# Altium PCB 400150.PcbDoc (part 2 of 4) (continued)
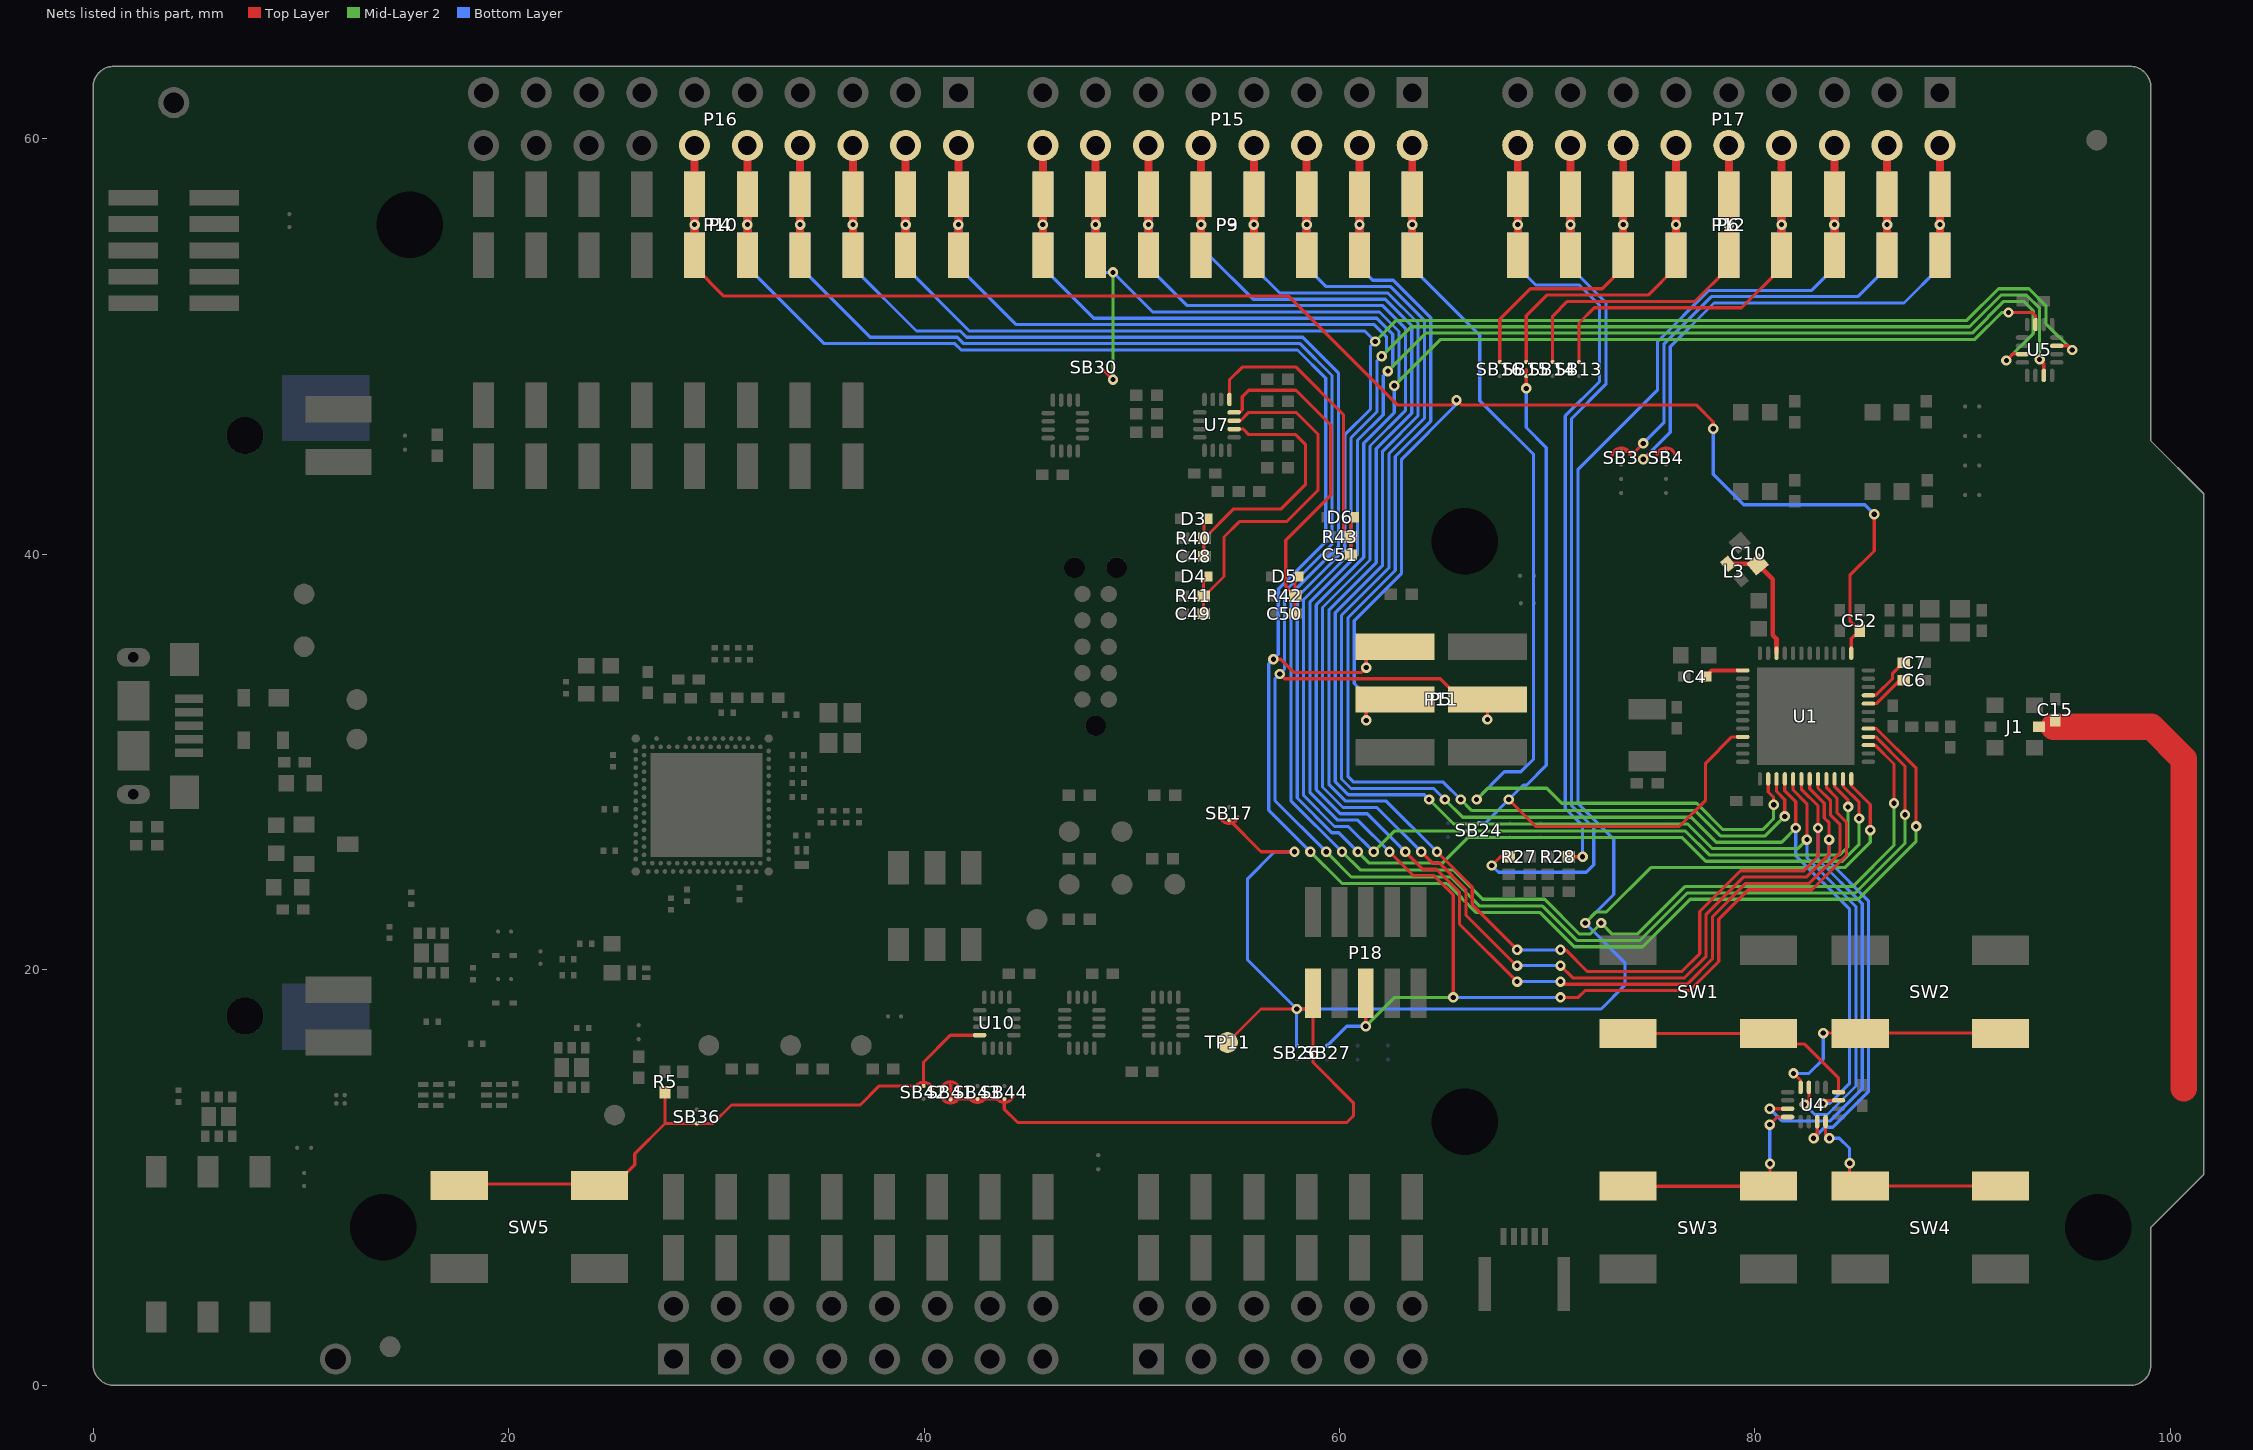
[diagram p4: the nets of this part, all layers, seen from the top]
## Part data (continued)
TP12 TP13: library part "Testpoint TH", "Testpoint, through hole", Manufacturer=N.A., Artikkelnr Noca=N.A., Author=rsk, Component Class=Connectors, ComponentLink1Description=Datasheet, ComponentLink1URL=N.A., ComponentLink2Description="Supplier link", ComponentLink2URL=N.A., Footprint Doc=TESTPAD-TH, HelpURL=N.A., LatestRevisionDate=2009-12-12, Manufacturer Part Number=N.A., Note=N.A., Pad Count=1, Part Number="Testpoint TH", Part number IPS=N.A., Part number Norautron=N.A., PartId=100500464, Published=2009-12-12, Supplier 1=N.A., Supplier 2=N.A., Supplier Part Number 1=N.A., Supplier Part Number 2=N.A.
U1: "Multi-protocol Bluetooth Low Energy, ANT and 2.4GHz proprietary system-on-chip", Manufacturer="Nordic Semiconductor", Part number IPS=N.A., Artikkelnr Noca=N.A., Author=rubr, Component Class=nRF_Devices, ComponentLink1Description=Datasheet, ComponentLink1URL=N.A., ComponentLink2Description="Supplier link", ComponentLink2URL=N.A., Footprint Doc=QFN-48, HelpURL=N.A., LatestRevisionDate=2021-05-31, Manufacturer Part Number=nRF52832-QFAAG0, Note=N.A., Pad Count=48, Part Number=nRF52832-QFAAG0, Part number Norautron=N.A., PartId=102000228, Published=2021-05-31, Supplier 1="Nordic Semiconductor", Supplier 2=N.A., Supplier Part Number 1=nRF52832-QFAAG0, Supplier Part Number 2=N.A.
U2: library part nRF5340-QKAAD0, "Multi-protocol Bluetooth Low Energy, IEEE 802.15.4, ANT and 2.4GHz proprietary system-on-chip", Manufacturer="Nordic Semiconductor", Part number IPS=N.A., Artikkelnr Noca=N.A., Author=rsk, Component Class=nRF_Devices, ComponentLink1Description=Datasheet, ComponentLink1URL=N.A., ComponentLink2Description="Supplier link", ComponentLink2URL=N.A., Footprint Doc=AQFN-98, HelpURL=N.A., LatestRevisionDate=2020-12-02, Manufacturer Part Number=nRF5340-QKAAD0, Note=N.A., Pad Count=98, Part Number=nRF5340-QKAAD0, Part number Norautron=N.A., PartId=102000216, Published=2020-12-02, Supplier 1="Nordic Semiconductor", Supplier 2=N.A., Supplier Part Number 1=nRF5340-QKAAD0, Supplier Part Number 2=N.A.
U3: "300mA, Low Quiescent Current, Fast Transient Low Dropout Linear Regulator", Manufacturer="Diodes Incorporated", Part number IPS=00000001673, Part number Norautron=N.A., Supplier Part Number 1=AP7333-33SAG-7DICT-ND, Artikkelnr Noca=17039216, Author=rsk, Component Class=Misc_ICs, ComponentLink1Description=Datasheet, ComponentLink1URL=N.A., ComponentLink2Description="Supplier link", ComponentLink2URL=N.A., Footprint Doc=SOT-23-3, HelpURL=http://www.diodes.com/datasheets/AP7333.pdf, LatestRevisionDate=2012-06-15, Manufacturer Part Number=AP7333-33SAG-7, Note=N.A., Pad Count=3, Part Number=AP7333-33SAG-7, PartId=101900020, Published=2012-06-15, Supplier 1=Digi-Key, Supplier 2=N.A., Supplier Part Number 2=N.A.
U4 U5 U6 U10: library part NX3DV2567GU, "Low-ohmic four-pole double-throw analog switch", Manufacturer="NXP Semiconductors", Part number IPS=00000007816, Part number Norautron=N.A., Supplier Part Number 1=568-5206-1-ND, Artikkelnr Noca=15079317, Author=rsk, Component Class=Misc_ICs, ComponentLink1Description=Datasheet, ComponentLink1URL=N.A., ComponentLink2Description="Supplier link", ComponentLink2URL=N.A., Footprint Doc=XQFN-16, HelpURL=http://www.nxp.com/documents/data_sheet/NX3DV2567.pdf, LatestRevisionDate=2015-02-17, Manufacturer Part Number=NX3DV2567GU, Note=N.A., Pad Count=16, Part Number=NX3DV2567GU, PartId=101900290, Published=2015-02-17, Supplier 1=Digi-Key, Supplier 2=Mouser, Supplier Part Number 2=771-NX3DV2567GU115
  U10: Assembly="Not mounted"
U7: library part PCAL6408AHK, "8-bit I2C-bus I/O expander with interrupt output", Manufacturer="NXP Semiconductors", Part number IPS=00000009987, Part number Norautron=N.A., Supplier Part Number 1=568-9944-1-ND, Artikkelnr Noca=15079321, Author=rsk, Component Class=Misc_ICs, ComponentLink1Description=Datasheet, ComponentLink1URL=N.A., ComponentLink2Description="Supplier link", ComponentLink2URL=N.A., Footprint Doc=XQFN-16, HelpURL=http://www.nxp.com/documents/data_sheet/PCAL6408A.pdf, LatestRevisionDate=2015-04-29, Manufacturer Part Number=PCAL6408AHK, Note=N.A., Pad Count=16, Part Number=PCAL6408AHK, PartId=101900289, Published=2015-04-29, Supplier 1=Digi-Key, Supplier 2=Mouser, Supplier Part Number 2=771-PCAL6408AHKX
U8 U9: "Data / Audio Low-Voltage Dual DPDT Analog Switch", Manufacturer="ON Semiconductor", Part number IPS=00000009986, Part number Norautron=N.A., Supplier Part Number 1=FSA2466UMXCT-ND, Artikkelnr Noca=15070069, Assembly="Not mounted", Author=rsk, Component Class=Misc_ICs, ComponentLink1Description=Datasheet, ComponentLink1URL=N.A., ComponentLink2Description="Supplier link", ComponentLink2URL=N.A., Footprint Doc=UFQFN-16, HelpURL=https://www.onsemi.com/pub/Collateral/FSA2466-D.PDF, LatestRevisionDate=2019-05-15, Manufacturer Part Number=FSA2466UMX, Note=N.A., Pad Count=16, Part Number=FSA2466UMX, PartId=101900422, Published=2016-05-18, Supplier 1=Digi-Key, Supplier 2=Mouser, Supplier Part Number 2=512-FSA2466UMX
U11: "1.0 A Load Switch IC with Slew Rate Control Driver in Ultra Small Package", Manufacturer=Toshiba, Manufacturer Part Number=TCK106AG,LF, Part number IPS=00000004390, Part number Norautron=N.A., Supplier Part Number 1=TCK106AGLFTR-ND, Artikkelnr Noca=N.A., Author=rsk, Component Class=Misc_ICs, ComponentLink1Description=Datasheet, ComponentLink1URL=https://toshiba.semicon-storage.com/info/docget.jsp?did=30131&prodName=TCK106AG, ComponentLink2Description="Supplier link", ComponentLink2URL=N.A., Footprint Doc=WLCSP-4, HelpURL=N.A., LatestRevisionDate=2019-03-01, Note=N.A., Pad Count=4, Part Number=TCK106AG, PartId=101900575, Published=2019-02-17, Supplier 1=Digi-Key, Supplier 2=Mouser, Supplier Part Number 2=757-TCK106AGLF
U12 U13: "Single 3-input AND gate", Manufacturer="ON Semiconductor", Part number IPS=00000001709, Part number Norautron=N.A., Supplier Part Number 1=NC7SV11L6XCT-ND, Artikkelnr Noca=N.A., Author=rsk, Component Class=Misc_ICs, ComponentLink1Description=Datasheet, ComponentLink1URL=https://www.fairchildsemi.com/datasheets/NC/NC7SV11.pdf, ComponentLink2Description="Supplier link", ComponentLink2URL=N.A., Footprint Doc=UFDFN-6, HelpURL=https://www.fairchildsemi.com/datasheets/NC/NC7SV11.pdf, LatestRevisionDate=2018-09-27, Manufacturer Part Number=NC7SV11L6X, Note="Single 3-input AND gate", Pad Count=6, Part Number=NC7SV11L6X, PartId=101900559, Published=2018-09-27, Supplier 1=Digi-Key, Supplier 2=Mouser, Supplier Part Number 2=512-NC7SV11L6X
X1 X3: library part XTAL_SMD2016_32MHz_8pF_Epson, "XTAL SMD 2016, 32MHz, Cl=8pF, Tol: ±10ppm, Stab: ±10ppm", Manufacturer="Epson Toyocom", Manufacturer Part Number=Q22FA12800025, Part number IPS=N.A., Supplier Part Number 1=171-2806, Artikkelnr Noca=22019238, Author=rsk, Component Class=Oscillators, ComponentLink1Description=Datasheet, ComponentLink1URL=N.A., ComponentLink2Description="Supplier link", ComponentLink2URL=N.A., Footprint Doc=XTAL_2016, HelpURL=http://www.epsondevice.com/docs/qd/en/DownloadServlet?id=ID000449, LatestRevisionDate=2014-11-27, Note="XTAL SMD 32.000MHz", Pad Count=4, Part Number=XTAL_SMD2016_32MHz_8pF_Epson, Part number Norautron=N.A., PartId=101600036, Published=2012-03-09, Supplier 1=Farnell, Supplier 2=N.A., Supplier Part Number 2=N.A.
X2: library part XTAL_SMD3215_32.768kHz_9pF_Epson, "XTAL SMD 3215, 32.768kHz, 9pF, ±20ppm", Manufacturer="Epson Toyocom", Manufacturer Part Number="FC-135 32.768KHZ ±20PPM,9.0PF", Part number IPS=N.A., Supplier Part Number 1="FC-135 32.7680KA-AC-ND", Artikkelnr Noca=22019091, Author=rsk, Component Class=Oscillators, ComponentLink1Description=Datasheet, ComponentLink1URL=N.A., ComponentLink2Description="Supplier link", ComponentLink2URL=N.A., Footprint Doc=XTAL_3215, HelpURL=http://www.farnell.com/datasheets/57480.pdf, LatestRevisionDate=2017-10-18, Note="XTAL SMD 32.768kHz", Pad Count=2, Part Number=XTAL_SMD3215_32.768kHz_9pF_Epson, Part number Norautron=N.A., PartId=101600021, Published=2010-10-18, Supplier 1=Digi-Key, Supplier 2=Farnell, Supplier Part Number 2=127-8037

## Free pads (board coordinates)
  round 0.3 on Mech16: 0(29.324,30.73) 0(29.724,30.73) 0(30.124,30.73) 0(30.524,25.13) 0(30.524,30.73) 0(30.924,25.13) 0(30.924,30.73) 0(31.324,25.13) 0(31.724,25.13) 0(32.124,25.13)
  round 3.1 hole 3.2 unplated: 1(13.97,7.61) 1(15.24,55.87) 1(66.04,12.69) 1(66.04,40.63) 1(96.52,7.61)

## Via types
v1: diameter 0.5, hole 0.25, Top Layer to Bottom Layer, tented both sides, 864 vias
v2: diameter 0.3, hole 0.1, Top Layer to Mid-Layer 1, tented both sides, 152 vias
v3: diameter 0.61, hole 0.305, Top Layer to Bottom Layer, tented both sides, 16 vias
v4: diameter 0.66, hole 0.33, Top Layer to Bottom Layer, tented both sides, 16 vias

## Nets (pads, with @x,y where several pads share a name; then routed paths per layer and width w, separated by ;. In a path a pad name is that pad's centre, name@x,y a point inside that pad or via, vN(x,y) a via of type N, cw(c..) or ccw(c..) an arc to the next point about the centre after c; other vN are vias at no path point)
ANT: C15.1 J1.3 | length 22.7
  Top Layer w1.27: 94.383,31.703 99.072,31.703 100.632,30.144 100.632,14.302
BOOT/RESET: R5.1 SB36.2 SB42.1 SW5.2 U10.4 | length 30.3
  Top Layer w0.152: SW5.2@17.631,9.61 17.714,9.693 24.298,9.693 SW5.2@24.381,9.61 25.078,9.61 26.073,10.606 26.073,11.138 27.532,12.597 ; R5.1@27.532,14.101 27.532,12.597 ; 39.626,14.409 37.854,14.409 36.935,13.491 30.732,13.491 29.838,12.597 SB36.2@29.063,12.597 27.532,12.597 ; SB42.1@39.98,14.409 39.98,14.584 39.98,15.559 41.271,16.85 U10.4@42.679,16.85
BUTTON1': SW1.2 U4.16 | length 11.7
  Top Layer w0.152: SW1.2@73.892,16.937 80.642,16.937 81.145,16.434 82.364,16.434 84.026,14.771 U4.16@84.026,14.099
BUTTON1_EXT: C48.1 D3.3 R40.1 U7.2 | length 13.5
  Top Layer w0.152: C48.1@53.465,39.898 53.465,40.761 R40.1@53.484,40.761 ; D3.3@53.69,41.701 53.484,41.495 R40.1@53.484,40.761 ; U7.2@54.925,46.028 55.365,46.028 55.632,45.761 57.886,45.761 58.36,45.288 58.36,43.346 57.197,42.184 54.907,42.184 R40.1@53.484,40.761
BUTTON2': SW2.2 U4.4 | length 12.3
  Top Layer w0.152: v1(81.856,15.011) 82.195,14.672 U4.4@82.195,14.338 ; v1(83.29,16.948) 91.809,16.948 SW2.2@91.818,16.94
  Bottom Layer w0.152: v1(81.856,15.011) 82.601,15.011 83.29,15.7 v1(83.29,16.948)
BUTTON2_EXT: C49.2 D4.3 R41.1 U7.3 | length 18
  Top Layer w0.152: C49.2@53.461,37.129 R41.1@53.461,37.993 ; D4.3@53.692,38.932 53.461,38.701 R41.1@53.461,37.993 ; U7.3@54.925,46.428 55.232,46.428 55.632,46.828 57.906,46.828 58.969,45.765 58.969,43.094 57.45,41.574 55.18,41.574 54.44,40.834 54.44,38.932 53.5,37.993 R41.1@53.461,37.993
BUTTON3': SW3.2 U4.8 | length 10.6
  Top Layer w0.152: SW3.2@73.889,9.581 SW3.2@80.639,9.581 ; v1(80.713,12.548) 81.078,12.913 U4.8@81.57,12.913 ; SW3.2@80.722,9.663 v1(80.722,10.659)
  Bottom Layer w0.152: v1(80.713,12.548) 80.713,10.668 v1(80.722,10.659)
BUTTON3_EXT: C50.2 D5.3 R42.1 U7.4 | length 17.3
  Top Layer w0.152: U7.4@54.925,46.828 55.193,46.828 55.32,46.955 55.32,47.582 55.632,47.895 57.906,47.895 59.579,46.222 59.579,42.841 57.412,40.674 57.412,38.459 R42.1@57.861,38.01 ; C50.2@57.861,37.147 R42.1@57.861,38.01 ; D5.3@58.061,38.932 57.861,38.732 R42.1@57.861,38.01
BUTTON4': SW4.2 U4.12 | length 10.8
  Top Layer w0.152: U4.12@83.395,12.688 83.395,12.075 v1(83.583,11.887) ; v1(84.557,10.684) 84.557,10.074 85.04,9.592 SW4.2@91.79,9.592
  Bottom Layer w0.152: v1(83.583,11.887) 84.065,11.887 84.557,11.395 v1(84.557,10.684)
BUTTON4_EXT: C51.1 D6.3 R43.1 U7.5 | length 15.6
  Top Layer w0.152: U7.5@54.7,47.453 54.7,48.388 55.335,49.022 57.886,49.022 60.192,46.717 60.192,41.191 R43.1@60.548,40.835 ; C51.1@60.548,39.972 R43.1@60.548,40.835 ; D6.3@60.728,41.783 60.548,41.603 R43.1@60.548,40.835
CTS: SB15.2 SB24.2 U1.9 | length 38.5
  Top Layer w0.152: v1(68.148,28.194) 69.444,26.899 76.352,26.899 77.622,28.169 77.622,29.947 78.887,31.211 U1.9@79.41,31.211 ; v1(68.986,47.985) SB15.2@68.986,48.58 68.986,48.88
  Bottom Layer w0.152: SB24.2@66.713,27.058 67.012,27.058 v1(68.148,28.194) 68.85,28.896 69.008,28.896 69.952,29.839 69.952,45.136 68.986,46.101 v1(68.986,47.985)
D0: P3.1 P9.1 P15.2 U1.14 | length 56
  Top Layer w0.152: U1.14@80.635,29.186 80.635,28.556 80.899,28.292 v1(80.899,27.941)
  Top Layer w0.381: P3.1@63.5,54.405 v1(63.5,55.87) P3.1@63.5,57.335 P15.2@63.5,59.68
  Mid-Layer 2 w0.152: v1(66.599,28.194) 67.143,28.738 69.98,28.738 70.701,28.017 77.19,28.017 78.461,26.746 80.366,26.746 80.899,27.279 v1(80.899,27.941)
  Bottom Layer w0.152: P9.1@63.5,53.797 66.751,50.546 66.751,47.392 69.342,44.801 69.342,30.144 68.731,29.533 67.938,29.533 v1(66.599,28.194)
  Bottom Layer w0.381: P9.1@63.5,53.797 v1(63.5,55.87) P9.1@63.5,57.335
D1: P3.2 P9.2 P15.4 U1.15 | length 62.1
  Top Layer w0.152: U1.15@81.035,29.186 81.035,28.588 81.432,28.191 v1(81.432,27.381)
  Top Layer w0.381: P3.2@60.96,54.405 v1(60.96,55.87) P3.2@60.96,57.335 P15.4@60.96,59.68
  Mid-Layer 2 w0.152: v1(65.837,28.194) 66.372,27.659 77.116,27.659 78.334,26.441 80.493,26.441 v1(81.432,27.381)
  Bottom Layer w0.152: v1(65.837,28.194) 64.999,29.032 60.681,29.032 60.401,29.312 60.401,36.932 62.687,39.218 62.687,44.708 64.389,46.41 64.389,51.383 62.584,53.188 61.595,53.188 P9.2@60.96,53.823 ; P9.2@60.96,53.823 60.96,54.405 P9.2@60.96,53.823
  Bottom Layer w0.381: P9.2@60.96,54.405 v1(60.96,55.87) P9.2@60.96,57.335
D2: P3.3 P9.3 P15.6 U1.16 U4.15 | length 81.1
  Top Layer w0.152: U1.16@81.435,29.186 81.435,28.62 81.966,28.089 v1(81.966,26.822) ; v1(83.261,13.564) 83.41,13.713 U4.15@84.02,13.713
  Top Layer w0.381: P3.3@58.42,54.405 v1(58.42,55.87) P3.3@58.42,57.335 P15.6@58.42,59.68
  Mid-Layer 2 w0.152: v1(65.075,28.194) 65.927,27.342 76.931,27.342 78.136,26.137 81.28,26.137 v1(81.966,26.822)
  Bottom Layer w0.152: P9.3@58.42,54.405 58.42,53.823 59.36,52.883 62.458,52.883 64.084,51.256 64.084,46.536 62.382,44.834 62.382,39.344 60.096,37.058 60.096,29.185 60.554,28.727 64.541,28.727 v1(65.075,28.194) ; v1(81.966,26.822) 81.966,25.497 84.557,22.906 84.557,14.529 83.591,13.564 v1(83.261,13.564)
  Bottom Layer w0.381: P9.3@58.42,54.405 v1(58.42,55.87) P9.3@58.42,57.335
D3: P3.4 P9.4 P15.8 U1.17 U4.3 | length 85.9
  Top Layer w0.152: U1.17@81.835,29.186 81.835,28.652 82.499,27.987 v1(82.499,26.264) ; v1(82.389,13.513) 82.595,13.719 U4.3@82.595,14.338
  Top Layer w0.381: P3.4@55.88,54.405 v1(55.88,55.87) P3.4@55.88,57.335 P15.8@55.88,59.68
  Mid-Layer 2 w0.152: v1(64.313,28.194) 65.491,27.016 76.768,27.016 77.953,25.832 82.067,25.832 v1(82.499,26.264)
  Bottom Layer w0.152: P9.4@55.88,54.405 55.88,53.823 57.125,52.578 62.332,52.578 63.779,51.13 63.779,46.662 62.078,44.961 62.078,39.47 59.792,37.184 59.792,29.058 60.427,28.423 64.084,28.423 v1(64.313,28.194) ; v1(82.389,13.513) 82.872,13.03 83.49,13.03 84.861,14.402 84.861,23.041 82.499,25.403 v1(82.499,26.264)
  Bottom Layer w0.381: P9.4@55.88,54.405 v1(55.88,55.87) P9.4@55.88,57.335
D4: P3.5 P9.5 P15.10 U1.18 U4.7 | length 98.4
  Top Layer w0.152: v1(64.694,25.679) 66.389,23.984 66.389,23.122 v1(68.547,20.964) ; v1@70.637,20.955 70.883,20.955 71.924,19.914 76.479,19.914 77.343,20.777 77.343,22.807 79.301,24.765 82.347,24.765 83.033,25.451 v1(83.033,26.822) 83.033,27.886 82.235,28.684 U1.18@82.235,29.186 ; v1@80.716,13.313 U4.7@81.57,13.313
  Top Layer w0.381: P3.5@53.34,54.405 v1(53.34,55.87) P3.5@53.34,57.335 P15.10@53.34,59.68
  Bottom Layer w0.152: P9.5@53.34,54.405 53.712,54.405 55.844,52.273 62.205,52.273 63.475,51.004 63.475,46.789 61.773,45.087 61.773,39.596 59.487,37.31 59.487,28.924 60.293,28.118 62.255,28.118 v1(64.694,25.679) ; v1(68.547,20.964) 68.557,20.955 v1@70.637,20.955 ; v1(80.713,13.31) 81.297,12.725 83.617,12.725 85.166,14.275 85.166,23.175 83.033,25.308 v1(83.033,26.822)
  Bottom Layer w0.381: P9.5@53.34,54.405 v1(53.34,55.87) P9.5@53.34,57.335
  other v1: 70.637,20.964
D5: P3.6 P9.6 P15.12 U1.19 U4.11 | length 100
  Top Layer w0.152: v1(63.932,25.679) 64.465,25.146 64.796,25.146 66.084,23.858 66.084,22.636 68.522,20.198 v1(68.547,20.198) ; v1@70.637,20.193 71.221,19.609 76.606,19.609 77.648,20.651 77.648,22.681 79.427,24.46 82.473,24.46 83.566,25.553 v1(83.566,26.264) 83.566,27.076 83.337,27.305 83.337,28.012 82.635,28.715 U1.19@82.635,29.186 ; v1(82.821,11.887) 82.995,12.062 U4.11@82.995,12.688
  Top Layer w0.381: P3.6@50.8,54.405 v1(50.8,55.87) P3.6@50.8,57.335 P15.12@50.8,59.68
  Bottom Layer w0.152: P9.6@50.8,54.405 50.8,53.838 52.669,51.968 62.079,51.968 63.17,50.878 63.17,46.915 61.468,45.213 61.468,39.723 59.182,37.437 59.182,28.798 60.167,27.813 61.798,27.813 v1(63.932,25.679) ; v1(68.547,20.198) v1(70.637,20.198) ; v1(82.821,11.887) 83.354,12.421 83.744,12.421 85.471,14.148 85.471,23.304 83.566,25.209 v1(83.566,26.264)
  Bottom Layer w0.381: P9.6@50.8,54.405 v1(50.8,55.87) P9.6@50.8,57.335
D6: P3.7 P9.7 P15.14 SB30.1 U1.20 U5.15 | length 125
  Top Layer w0.152: SB30.1@48.502,48.991 48.512,48.991 v1(49.097,48.407) ; v1(63.17,25.679) 64.008,24.841 64.668,24.841 65.779,23.731 65.779,22.2 v1(68.547,19.431) ; v1(70.637,19.431) 70.764,19.304 76.732,19.304 77.953,20.525 77.953,22.554 79.554,24.155 82.618,24.155 84.099,25.637 84.099,26.976 83.642,27.433 83.642,28.138 83.035,28.746 U1.20@83.035,29.186 ; v1(92.201,51.638) 93.345,51.638 93.501,51.483 U5.15@93.501,51.06
  Top Layer w0.381: P3.7@48.26,54.405 P3.7@48.26,57.335 P15.14@48.26,59.68
  Mid-Layer 2 w0.152: v1(49.097,48.407) v1(49.098,53.569) ; v1(62.636,48.108) 64.872,50.343 90.576,50.343 91.872,51.638 v1(92.201,51.638)
  Bottom Layer w0.152: P9.7@48.26,54.405 48.26,53.797 48.489,53.569 v1(49.098,53.569) 51.003,51.664 61.924,51.664 62.865,50.722 62.865,48.336 v1(62.636,48.108) 62.636,46.82 61.163,45.347 61.163,39.849 58.877,37.563 58.877,28.671 60.04,27.508 61.341,27.508 v1(63.17,25.679) ; v1(68.547,19.431) v1(70.637,19.431)
  Bottom Layer w0.381: P9.7@48.26,54.405 v1(48.26,55.87) P9.7@48.26,57.335
D7: P3.8 P9.8 P15.16 P18.6 SB27.2 U1.21 U5.3 | length 136.4
  Top Layer w0.152: v1(61.265,17.278) P18.6@61.265,18.872 ; v1@62.4,25.679 v1(62.408,25.679) 63.551,24.536 64.541,24.536 65.474,23.604 v1(65.474,18.669) ; v1(70.637,18.669) 71.501,18.669 71.831,18.999 76.858,18.999 78.257,20.398 78.257,22.428 79.68,23.851 82.744,23.851 84.404,25.511 84.404,27.102 83.947,27.559 83.947,28.265 83.435,28.777 U1.21@83.435,29.186 ; v1(92.1,49.327) 92.408,49.635 U5.3@92.876,49.635
  Top Layer w0.381: P3.8@45.72,54.405 v1(45.72,55.87) P3.8@45.72,57.335 P15.16@45.72,59.68
  Mid-Layer 2 w0.152: v1(61.265,17.278) 62.656,18.669 v1(65.474,18.669) ; v1(62.332,48.819) 64.16,50.648 90.449,50.648 91.975,52.173 92.938,52.173 93.396,51.716 93.396,50.622 v1(92.1,49.327)
  Bottom Layer w0.152: P9.8@45.72,54.405 45.72,53.812 48.174,51.359 61.797,51.359 62.56,50.596 62.56,49.047 v1(62.332,48.819) 62.103,48.59 62.103,46.719 60.858,45.474 60.858,39.975 58.572,37.689 58.572,28.545 59.914,27.203 60.884,27.203 v1(62.408,25.679) ; SB27.2@59.412,16.35 60.34,17.278 v1(61.265,17.278) ; v1(65.474,18.669) 70.383,18.669
  Bottom Layer w0.381: P9.8@45.72,54.405 v1(45.72,55.87) P9.8@45.72,57.335
D8: P4.1 P10.1 P16.2 U1.22 U5.7 | length 123.5
  Top Layer w0.152: P4.1@41.656,53.842 P4.1@41.656,54.405 ; U1.22@83.835,29.186 83.835,28.808 84.48,28.162 v1(84.48,27.838) ; v1(93.701,49.378) 93.901,49.178 U5.7@93.901,48.61
  Top Layer w0.381: P4.1@41.656,54.405 v1(41.656,55.87) P4.1@41.656,57.335 P16.2@41.656,59.68
  Mid-Layer 2 w0.152: v1(61.646,25.679) 62.652,26.686 76.632,26.686 77.791,25.527 84.074,25.527 84.48,25.933 v1(84.48,27.838) ; v1(62.027,49.53) 63.449,50.952 90.323,50.952 91.849,52.478 93.065,52.478 93.701,51.842 v1(93.701,49.378)
  Bottom Layer w0.152: P10.1@41.656,54.405 41.656,53.842 44.444,51.054 61.671,51.054 62.255,50.47 62.255,49.759 v1(62.027,49.53) 61.798,49.301 61.798,46.846 60.554,45.601 60.554,40.101 58.268,37.815 58.268,28.393 59.762,26.899 60.427,26.899 v1(61.646,25.679)
  Bottom Layer w0.381: P10.1@41.656,54.405 v1(41.656,55.87) P10.1@41.656,57.335
D9: P4.2 P10.2 P16.4 U1.23 U5.11 | length 127.3
  Top Layer w0.152: P4.2@39.116,53.812 P4.2@39.116,54.405 ; U1.23@84.235,29.186 84.235,28.839 85.014,28.06 v1(85.014,27.28) ; U5.11@94.526,50.035 95.075,50.035 v1(95.275,49.835)
  Top Layer w0.381: P4.2@39.116,54.405 v1(39.116,55.87) P4.2@39.116,57.335 P16.4@39.116,59.68
  Mid-Layer 2 w0.152: v1(60.884,25.679) 61.428,25.135 64.948,25.135 66.174,26.361 76.5,26.361 77.638,25.222 84.2,25.222 85.014,26.036 v1(85.014,27.28) ; v1(61.722,50.241) 62.738,51.257 90.197,51.257 91.723,52.783 93.191,52.783 94.005,51.968 94.005,51.105 v1(95.275,49.835)
  Bottom Layer w0.152: P10.2@39.116,54.405 39.116,53.812 42.179,50.749 61.214,50.749 v1(61.722,50.241) 61.493,50.013 61.493,46.99 60.249,45.745 60.249,40.228 57.963,37.942 57.963,28.266 59.635,26.594 59.969,26.594 v1(60.884,25.679)
  Bottom Layer w0.381: P10.2@39.116,54.405 v1(39.116,55.87) P10.2@39.116,57.335
D10: P4.3 P10.3 P16.6 U1.27 | length 96
  Top Layer w0.152: U1.27@85.46,30.811 85.784,30.811 86.69,29.905 v1(86.69,28.017)
  Top Layer w0.381: P4.3@36.576,53.812 v1(36.576,55.87) P4.3@36.576,57.335 P16.6@36.576,59.68
  Mid-Layer 2 w0.152: v1(60.122,25.679) 60.995,24.806 65.473,24.806 66.886,23.393 69.875,23.393 71.552,21.717 72.06,21.717 v1(72.593,22.25) 73.127,21.717 74.339,21.717 76.625,24.003 84.709,24.003 86.69,25.984 v1(86.69,28.017)
  Bottom Layer w0.152: P10.3@36.576,54.405 36.576,53.812 39.639,50.749 41.742,50.749 42.047,50.444 58.233,50.444 59.944,48.733 59.944,45.695 ; 59.944,45.877 59.944,40.354 57.658,38.068 57.658,28.14 v1(60.122,25.679)
  Bottom Layer w0.381: P10.3@36.576,54.405 v1(36.576,55.87) P10.3@36.576,57.335
D11: P4.4 P5.4 P10.4 P11.4 P16.8 U1.28 | length 112.9
  Top Layer w0.152: v1(57.125,34.239) 57.353,34.011 64.846,34.011 65.847,33.01 P5.4@67.12,33.01 v1(67.12,32.045) ; U1.28@85.46,31.211 85.815,31.211 87.224,29.803 v1(87.224,27.458)
  Top Layer w0.381: P4.4@34.036,53.812 v1(34.036,55.87) P4.4@34.036,57.335 P16.8@34.036,59.68
  Mid-Layer 2 w0.152: v1(59.36,25.679) 60.572,24.467 65.342,24.467 66.746,23.063 69.775,23.063 71.426,21.412 74.465,21.412 76.751,23.698 84.837,23.698 87.224,26.085 v1(87.224,27.458)
  Bottom Layer w0.152: P10.4@34.036,54.405 34.036,53.812 37.404,50.444 41.605,50.444 41.91,50.14 58.106,50.14 59.639,48.607 59.639,40.48 57.353,38.194 57.353,34.468 v1(57.125,34.239) 56.896,34.011 56.896,28.143 v1(59.36,25.679) ; v1(67.12,32.045) 67.12,33.01 P11.4@67.722,33.01
  Bottom Layer w0.381: P10.4@34.036,54.405 v1(34.036,55.87) P10.4@34.036,57.335
D12: P4.5 P5.1 P10.5 P11.1 P16.10 U1.29 | length 111.2
  Top Layer w0.152: v1(56.82,34.95) 57.171,34.95 57.806,34.315 61.062,34.315 v1(61.29,34.544) P5.1@61.29,35.535 ; U1.29@85.46,31.611 85.846,31.611 87.757,29.7 v1(87.757,26.899)
  Top Layer w0.381: P4.5@31.496,53.838 v1(31.496,55.87) P4.5@31.496,57.335 P16.10@31.496,59.68
  Mid-Layer 2 w0.152: v1(58.598,25.679) 60.12,24.157 65.182,24.157 66.591,22.748 69.658,22.748 71.299,21.107 74.592,21.107 76.878,23.393 84.963,23.393 87.757,26.187 v1(87.757,26.899)
  Bottom Layer w0.152: P10.5@31.496,54.405 31.496,53.838 35.194,50.14 41.479,50.14 41.784,49.835 57.98,49.835 59.334,48.48 59.334,45.695 ; v1@56.82,34.925 v1(56.82,34.95) ; v1(58.598,25.679) 56.591,27.686 56.591,34.722 v1(56.82,34.95) ; 59.334,46.129 59.334,40.606 57.048,38.32 57.048,35.179 v1(56.82,34.95) ; v1(61.29,34.544) P11.1@61.29,35.56
  Bottom Layer w0.381: P10.5@31.496,54.405 v1(31.496,55.87) P10.5@31.496,57.335
D13: C52.1 P4.6 P5.3 P10.6 P11.3 P16.12 U1.37 | length 99.6
  Top Layer w0.152: P4.6@28.956,53.838 30.368,52.426 57.549,52.426 62.781,47.193 65.405,47.193 v1(65.634,47.422) 65.862,47.193 77.165,47.193 77.99,46.369 v1(77.99,46.038) ; v1(61.29,32.004) P5.3@61.29,32.969 ; U1.37@84.635,35.236 84.635,35.936 C52.1@85.029,36.33 ; C52.1@85.051,36.309 C52.1@85.029,36.33 ; v1(85.737,41.924) 85.737,40.155 84.568,38.986 84.568,36.791 C52.1@85.029,36.33
  Top Layer w0.381: P4.6@28.956,53.838 v1(28.956,55.87) P4.6@28.956,57.335 P16.12@28.956,59.68
  Bottom Layer w0.152: v1(61.29,32.004) P11.3@61.29,32.969 ; P11.3@61.473,33.01 P11.3@62.072,33.01 61.478,33.01 60.706,33.782 60.706,36.805 62.992,39.091 62.992,44.574 65.634,47.215 v1(65.634,47.422) ; v1(77.99,46.038) 77.99,43.853 79.462,42.381 85.28,42.381 v1(85.737,41.924)
  Bottom Layer w0.381: P10.6@28.956,54.405 v1(28.956,55.87) P10.6@28.956,57.335
D14: P6.1 P12.1 P17.2 SB4.2 | length 30.5
  Top Layer w0.152: v1(74.625,44.577) 74.996,44.948 SB4.2@75.717,44.948
  Top Layer w0.381: P6.1@88.9,54.405 v1(88.9,55.87) P6.1@88.9,57.335 P17.2@88.9,59.68
  Bottom Layer w0.152: v1(74.625,44.577) 75.921,45.872 75.921,49.987 78.029,52.095 87.173,52.095 88.9,53.823 P12.1@88.9,54.405
  Bottom Layer w0.381: P12.1@88.9,54.405 v1(88.9,55.87) P12.1@88.9,57.335
D15: P6.2 P12.2 P17.4 SB3.2 | length 27.5
  Top Layer w0.152: SB3.2@73.558,44.948 74.234,44.948 v1(74.625,45.339)
  Top Layer w0.381: P6.2@86.36,54.405 v1(86.36,55.87) P6.2@86.36,57.335 P17.4@86.36,59.68
  Bottom Layer w0.152: v1(74.625,45.339) 75.616,46.33 75.616,50.113 77.903,52.4 84.938,52.4 86.36,53.823 P12.2@86.36,54.405
  Bottom Layer w0.381: P12.2@86.36,54.405 v1(86.36,55.87) P12.2@86.36,57.335
D16: P6.3 P12.3 P17.6 P18.10 SB17.2 SB26.2 SB41.2 SB43.2 SB44.2 TP11.1 U1.24 | length 135.5
  Top Layer w0.152: SB41.2@41.275,13.785 SB43.2@42.57,13.785 43.513,13.785 ; SB44.2@43.866,13.785 43.866,13.61 43.866,13.291 44.511,12.646 60.354,12.646 60.667,12.958 60.667,13.601 58.725,15.543 P18.10@58.725,18.872 ; TP11.1@54.61,16.5 56.22,18.11 v1(57.937,18.11) P18.10@58.725,18.11 ; SB17.2@54.686,27.214 56.22,25.679 v1(57.836,25.679) ; U1.24@84.635,29.186 84.635,28.87 85.547,27.958 v1(85.547,26.721)
  Top Layer w0.381: P6.3@83.82,54.405 v1(83.82,55.87) P6.3@83.82,57.335 P17.6@83.82,59.68
  Mid-Layer 2 w0.152: v1(71.831,22.25) 72.365,22.784 72.855,22.784 74.989,24.917 84.328,24.917 85.547,26.137 v1(85.547,26.721)
  Bottom Layer w0.152: v1(57.836,25.679) 56.871,25.679 55.575,24.384 55.575,20.472 v1(57.937,18.11) ; SB26.2@57.953,16.35 57.937,16.366 v1(57.937,18.11) ; P12.3@83.82,54.405 83.82,53.797 82.728,52.705 77.774,52.705 75.311,50.242 75.311,47.912 71.476,44.077 71.476,28.016 73.203,26.289 73.203,23.622 v1(71.831,22.25) 73.736,20.345 73.736,19.252 72.594,18.11 v1(57.937,18.11)
  Bottom Layer w0.381: P12.3@83.82,54.405 v1(83.82,55.87) P12.3@83.82,57.335
D17: P6.4 P12.4 P17.8 SB13.1 | length 21.3
  Top Layer w0.152: SB13.1@71.526,49.255 71.526,51.13 72.263,51.867 79.35,51.867 81.28,53.797 P6.4@81.28,54.405
  Top Layer w0.381: P6.4@81.28,54.651 v1(81.28,55.87) P6.4@81.28,57.335 P17.8@81.28,59.68
  Bottom Layer w0.381: P12.4@81.28,54.405 v1(81.28,55.87) P12.4@81.28,57.335
D18: P6.5 P12.5 P17.10 SB14.1 | length 20.5
  Top Layer w0.152: SB14.1@70.256,49.255 70.256,51.46 70.968,52.172 77.114,52.172 78.74,53.797 P6.5@78.74,54.405
  Top Layer w0.381: P6.5@78.74,54.405 v1(78.74,55.87) P6.5@78.74,57.335 P17.10@78.74,59.68
  Bottom Layer w0.381: P12.5@78.74,54.405 v1(78.74,55.87) P12.5@78.74,57.335
D19: P6.6 P12.6 P17.12 SB15.1 | length 19
  Top Layer w0.152: SB15.1@68.986,49.255 68.986,51.486 69.977,52.476 74.854,52.476 76.2,53.823 P6.6@76.2,54.405
  Top Layer w0.381: P6.6@76.2,54.6 v1(76.2,55.87) P6.6@76.2,57.335 P17.12@76.2,59.68
  Bottom Layer w0.381: P12.6@76.2,54.405 v1(76.2,55.87) P12.6@76.2,57.335
D20: P6.7 P12.7 P17.14 SB16.1 | length 17.5
  Top Layer w0.152: SB16.1@67.716,49.255 67.716,51.308 69.19,52.781 72.644,52.781 73.66,53.797 P6.7@73.66,54.405
  Top Layer w0.381: P6.7@73.66,54.701 v1(73.66,55.87) P6.7@73.66,57.335 P17.14@73.66,59.68
  Bottom Layer w0.381: P12.7@73.66,54.405 v1(73.66,55.87) P12.7@73.66,57.335
D21: P6.8 P12.8 P17.16 R27.1 | length 45.6
  Top Layer w0.152: v1(67.33,25.019) 67.752,25.441 R27.1@68.152,25.441
  Top Layer w0.381: P6.8@71.12,54.405 v1(71.12,55.87) P6.8@71.12,57.335 P17.16@71.12,59.68
  Bottom Layer w0.152: v1(67.33,25.019) 67.654,24.695 71.885,24.695 72.238,25.048 72.238,26.822 71.171,27.889 71.171,46.534 72.822,48.185 72.822,52.121 71.12,53.823 P12.8@71.12,54.405
  Bottom Layer w0.381: P12.8@71.12,54.405 v1(71.12,55.87) P12.8@71.12,57.335
D22: P6.9 P12.9 P17.18 R28.1 | length 41.7
  Top Layer w0.152: R28.1@71.032,25.441 v1(71.704,25.441)
  Top Layer w0.381: P6.9@68.58,54.405 v1(68.58,55.87) P6.9@68.58,57.335 P17.18@68.58,59.68
  Bottom Layer w0.152: P12.9@68.58,54.405 68.58,53.823 69.444,52.959 71.547,52.959 72.517,51.989 72.517,48.311 70.866,46.66 70.866,27.762 71.704,26.924 v1(71.704,25.441)
  Bottom Layer w0.381: P12.9@68.58,54.405 v1(68.58,55.87) P12.9@68.58,57.335
DEC1: C4.1 U1.1 | length 1.9
  Top Layer w0.203: C4.1@77.605,34.11 77.906,34.411 U1.1@79.41,34.411
DEC2: C6.1 U1.32 | length 2.2
  Top Layer w0.152: U1.32@85.46,32.811 85.846,32.811 86.973,33.938 C6.1@87.235,33.938
DEC3: C7.1 U1.33 | length 2.4
  Top Layer w0.152: U1.33@85.46,33.211 85.815,33.211 86.626,34.022 86.626,34.273 C7.1@87.11,34.758
DEC4: C10.2 L3.1 U1.46 | length 6
  Top Layer w0.229: L3.1@78.701,39.54 C10.2@80.109,39.54 ; C10.2@80.126,39.522 80.86,38.789 80.86,36.103 81.035,35.928 U1.46@81.035,35.267